# KiCad board Rogelio Pineda part 7-AMLDC-2044B.kicad_pcb (continued)
## Routing (per net, layer and track width the routed paths; a pad name or vN(x,y) marks a point on that pad's centre or on a via; arc(x,y) is an arc through that point) (continued)
V0p10: length 7.8
  Top w0.15: UV0.5 120.09,67.14 120.16,72.39 120.16,73.23 UV0.10
V0p13: length 7.8
  Top w0.15: UV0.13 112.58,73.27 112.58,72.18 112.54,69.6 112.46,66.99 112.46,66.19 UV0.2
V1p12: length 8
  Top w0.15: 153.84,81.16 153.79,81.1 v1(153.72,81.1) 153.72,81.03 153.65,80.97 153.65,80.75 153.3,80.4 153.3,74.86 153.25,74.81 UV1.12
V1p13: length 13.7
  Top w0.15: 148.74,86.6 v1(148.74,86.66) 148.59,85.17 148.56,84.89 148.44,84.34 148.39,82.96 148.42,82.08 148.44,81.32 148.56,80.74 148.76,80.12 148.89,79.59 149.04,78.71 149.53,77.53 149.72,76.82 150.04,76.06 150.35,75.14 150.49,74.65 150.71,73.42
V3p10: length 7.6
  Top w0.15: 239.36,72.84 239.36,65.22
V3p13: length 7.8
  Top w0.15: 231.74,72.84 231.74,72.36 231.98,72.11 232.11,66.6 231.74,65.22
V5p1: length 18
  Top w0.2: UV5.1 298.16,63.94 298.56,63.4 298.97,62.16 299.27,60.81 299.43,54.71 299.4,52.92 299.41,52.58 299.45,52.12 299.23,50.44 299.02,49.62 298.87,49.07 UW5.1
V5p4: length 18.8
  Top w0.2: UW5.2 301.28,49.52 301.48,50.67 301.75,52.47 302.03,54.22 301.99,56.92 301.9,57.74 302.02,58.77 302.28,59.38 302.56,59.98 303.12,60.69 304.59,62.88 305.23,63.65 UV5.4
V5p5: length 19.2
  Top w0.2: UW5.7 312.56,47.85 312.31,48.29 312.01,49.16 311.09,50.29 309.61,52.27 309.42,55.02 309.62,60.3 309.12,61.8 308.81,62.69 308.28,63.48 UV5.5
V5p9: length 5
  Top w0.2: 314.11,76.76 v1(314.11,76.74) 314.87,76.22 315.57,74.37 315.94,73.5 UV5.9
V5p12: length 19.3
  Top w0.2: UW5.10 313.03,56.07 312.86,57.1 312.52,58.09 312.29,59.29 312.18,59.89 312.09,60.76 312,62.81 311.96,68.24 311.48,69.03 311.41,69.23 310.86,69.81 309.79,70.56 308.68,71.64 308.32,71.88 UV5.12
V5p13: length 19.3
  Top w0.2: UW5.15 300.61,57.1 300.54,58.54 301.14,60.21 301.66,61.23 301.89,61.93 302.06,62.61 301.96,65.92 301.97,67.53 302.25,68.51 302.73,69.2 303.21,69.71 303.46,70.08 303.88,70.31 304.31,70.65 305.13,71.43 UV5.13
V6p9: length 18.2
  Top w0.15: UV6.9 354.71,70.58 354.48,69.93 354.08,68.7 353.92,67.8 353.82,66.5 354.08,64.79 353.87,61.81 354.1,57.8 354.45,56.72 354.94,55.24 UW6.9
V6p12: length 9.2
  Top w0.15: UV6.12 348.64,71.21 348.92,70.74 350.02,69.5 350.72,68.62 351.39,67.66 352.08,66.39 UV6.5
V6p13: length 8.1
  Top w0.15: UV6.13 344.94,70.46 344.49,69.33 344.08,67.9 343.58,66.62 UV6.1
V7p13: length 38
  Top w0.15: UV7.13 382.51,73.88 383.12,75.81 383.36,76.62 383.6,77.14 384.31,79.34 385.34,82.1 386.94,86.8 387.87,89.64 389.92,95.58 391.78,100.52 392.73,102.98 393,103.82 393.92,106.38 394.07,106.86 394.8,107.83
(no net): length 693.1
  Top w0.15: v1(321.56,40.95) 321.49,49.03 321.51,52.14 v1(321.69,65.02) ; 254.2,50.02 254.2,50.12 v1(254.25,50.17) 254.2,50.22 254.2,51.19 254.38,51.89 254.56,54.47 254.61,55.1 254.9,57.87 255.04,59.42 255.2,69.82 255.05,71.2 254.88,74.54 254.67,76.65 254.35,78.61 254.01,80.27 253.87,82.13 253.74,85.54 253.59,117.21 253.57,119.9 252.93,145.35 252.97,154.67 253.41,160.48 253.71,161.72 v1(253.81,162.64) ; 334.3,104.21 334.3,104.25 v1(334.35,104.3) 334.3,104.35 333.83,104.95 333.51,105.97 333.35,107.31 333.14,113.88 333.23,115.44 333.29,117.48 333.33,118 333.65,121.13 333.82,121.97 334.16,123.86 334.22,124.98 v1(334.16,125.28) ; v1(130.51,122.93) 130.01,122.04 129.76,120.01 129.73,103.48 129.66,100.56 129.66,90.16 129.64,82.67 129.58,65.23 129.64,47.4 v1(129.94,45.38) ; v1(215.6,65.55) 215.6,64.6 215.69,64.51 215.69,53.41 215.73,53.38 215.81,51.48 216.02,49.53 215.93,48.85 215.76,47.61 215.65,46.28 215.41,44.15 215.23,41.14 v1(214.98,39.38) ; v1(324.09,67.42) 324.25,45.74 v1(323.89,43.48) ; v1(218.29,99.81) 218.29,99.17 218.08,98.96 218.02,80.05 v1(218.08,75.79) ; v1(173.04,72.54) 173.19,84.39 173.23,85.69 173.25,87.88 173.27,90.96 v1(173.46,91.15) 173.35,96.05 173.37,98.42 173.37,99.35 v1(173.43,99.41) ; 363.57,54.32 363.54,54.35 363.54,54.45 v1(363.57,54.48) 363.54,54.52 v1(363.54,74.62) 363.54,74.85 ; v1(169.72,94.87) 169.35,94.87 168.4,95.92 168,97.48 167.92,98.28 168,103.37 168.43,106.79 168.24,107.46 v1(168.47,107.69) ; v1(168.93,92.47) 168.83,92.38 v1(168.83,85.33) 168.83,85.22 ; v1(408.78,67.2) 408.85,72.79 408.78,73.97 v1(408.65,74.78) ; v1(217.55,63.07) 217.55,40.13 ; v1(287.9,100.84) 288.6,99.98 289.21,97.73 289.12,96.69 288.89,95.79 288.85,94.88 288.47,91.72 288.27,90.09 288.41,81.87 288.45,69 288.45,62.26 288.65,53.28 288.87,49.32 v1(289.12,47.48) ; v1(133.04,106.46) 132.78,106.2 132.67,68.52 132.63,65.15 132.68,64.73 132.68,48.07 v1(132.69,48.06) ; v1(336.56,62.35) 336.74,61.01 v1(336.5,45.62)
  Bottom w0.15: 179.65,114.33 177.65,115.09 175.95,115.84 173.86,116.95 171.96,117.71 169.3,119 165.8,120.09 163.07,120.74 158.04,121.45 155.12,121.72 149.32,122.18 147.46,122.3 146.61,122.42 144.27,122.52 141.69,122.67 137.71,122.86 136.79,122.98 135.2,122.93 132.74,122.95 132.71,122.93 v1(130.51,122.93) ; 217.89,114.18 220.3,115.64 223.69,117.51 226.71,119.05 232.31,119.55 233.76,119.5 237.06,119.81 241.97,120.5 245.77,120.67 253.5,120.05 256.14,119.72 260.17,119.43 263.82,119.18 266.43,119.08 292.88,119.08 ; 123.59,312.75 120.32,312.81 117.86,312.89 109.8,313.09 107.33,313.84 105.49,314.25 103.65,314.54 102.18,314.28 100.33,312.81 v1(100.05,312.81) ; v1(126.79,312.65) 125.81,312.81 123.52,312.75
  vias: v1(217.49,40.23) v1(222.62,72.51) v1(253.01,60.24)
/C14p2: length 7.6
  Top w0.15: C14.2 222.79,397.46 222.79,396.95 222.08,395.54 220.62,393.03 220.53,391.45
/C29p1: length 7.5
  Bottom w0.2: C29.1 189.64,389.01 188.5,389 187.84,389 186.26,389.11 185.77,389.09 185.07,389.05 R50.2
/Pad6p6: length 2.6
  Top w0.15: 273.98,302.51 273.98,302.6 v1(274,302.62)
  Bottom w0.15: v1(274,302.62) 274.23,302.85 UG4.6
/Pad14p14: length 6.1
  Top w0.15: C12.2 269.12,315.82 267.88,315.62 267.4,315.38 267.39,315.37 267.04,315.03 266.84,314.71 266.61,314.28 UG4.14
/Pad15p15: length 11.5
  Bottom w0.15: R68.2 262.25,315.73 263.11,315.75 263.83,315.71 C12.1 264.37,315.2 264.53,315.04 264.07,314.58 UG4.15
/R50P2: length 55.9
  Top w0.15: CR3.1 182.07,386.59 181.95,381.79 181.89,381.04 181.88,380.91 C28.2 181.05,378.68 179.26,376.63 178.43,375.31 177.18,373.38 v1(177.04,371.78)
  Bottom w0.2: C28.2 183.2,379.64 184.85,380.04 189.9,379.69 192.25,379.71 193.55,380.23 196.73,381.1 199.62,381.34 205.7,381.48 208.76,381.24 210.31,381.24 212.33,381.2 CR4.1 ; R12.1 177.01,371.75 v1(177.04,371.78)
/R60p1: length 2.6
  Top w0.25: R60.1 209.27,97.47 R61.1
/R64p1: length 2.6
  Top w0.25: R64.1 209.24,87.05 R63.1
/R66p1: length 2.6
  Top w0.25: R62.1 209.33,92.19 R66.1
/SW1p2: length 8.2
  Top w0.25: SW1.2 420.76,56.78 419.74,55.76 C21.1
/UG4A: length 5.7
  Top w0.15: 280.39,302.45 280.28,302.35 v1(280.2,302.35) 280.2,302.26 279.52,302.28 277.87,302.4 277.35,302.75 277.32,302.75 277.15,303.09 276.85,303.61 276.77,303.69 UG4.7
A77: length 63.9
  Top w0.15: 88.78,255.3 R35.2 ; 87.95,262.2 87.36,263.11 87,263.64 85.43,265.94 83.93,267.86 83.09,268.88 82.31,269.53 81.93,269.85 81.11,270.25 80.32,270.43 76.05,270.43 J1.77 ; 87.9,262.28 88.41,261.03 88.58,260.03 88.79,258.06 R36.1
  Bottom w0.15: R35.2 88.78,255.3 R36.1 91.14,257.79 92.15,257.59 93.43,257.47 94.69,257.18 R4.1 99.75,256.31 102.37,255.87 107.5,255.33 108.98,255.06 111.26,255.13 115.09,256.18 116.51,256.2 122.7,256.35 124.08,256.42 125.07,256.66 126.17,257.23 127.16,257.95 127.41,258.17 UK0.9
B1p2: length 12.5
  Top w0.25: UB1.2 150.32,396.41 148.73,397.65 147.58,398.05 146.48,397.95 145.18,397.45 143.65,396.32 R38.2 143.65,392.87 C45.2
B1p3: length 54.5
  Top w0.2: UE1.3 153.85,345.87 154.36,348.68 154.51,354.66 154.42,356.02 154.79,358.92 155.46,360.9 UD1.4 155.8,363.62 155.79,365.18 155.6,365.54 155.62,365.82 154.79,367.14 154.36,367.94 154.36,371.34 154.4,372.26 154.44,371.77 154.44,378.36 154.37,378.43 154.37,386.54 154.39,386.55 154.47,389.83 154.67,391.41 153.69,393.94 152.86,394.67 UB1.3
B1p9: length 6.4
  Top w0.25: UB1.9 160.48,403.97 160.95,404.43 160.97,404.67 R77.2 164.88,406.15 C16.1
B1p11: length 146.8
  Top w0.15: UG2.12 193.84,314.19 193.69,313.43 193.48,312.17 192.85,311.22 191.32,310.72 189.88,311.19 189.43,312.01 189.64,313.8 189.88,314.53 189.98,317.89 190.11,318.23 190.32,319.39 189.98,322.83 189.69,327.01 189.06,328.14 v1(189.06,328.56) 189.06,328.53 ; v1(172.18,329.88) 172.39,330.87 172.76,331.97 172.79,333.96 172.59,337.58 172.13,340.17 171.7,345.45 171.7,348.88 171.6,350.32 171.84,354.14 172.78,355.78 173.27,356.93 173.39,357.87 173.39,362.98 173.38,364.34 173.26,366.6 173.22,368.17 173.52,371.32 173.8,373.43 173.87,374.56 173.93,376.27 174.15,380.95 174.29,381.99 174.39,384.8 174.54,386.17 174.37,389.98 173.61,394.9 173.38,397.95 173.29,398.84 v1(173.29,401.93)
  Bottom w0.2: UF1.9 161.08,330.5 161.43,330.17 162.08,329.82 162.27,329.73 163.6,329.64 170.79,329.63 v1(172.18,329.88) 172.51,329.81 172.8,329.77 175.33,329.59 175.9,329.58 177.14,329.49 178.14,329.42 179.63,329.41 181.43,329.24 181.99,329.14 183.9,329.13 185.14,328.99 185.62,328.87 186.5,328.78 186.99,328.71 187.73,328.71 188.23,328.56 v1(189.06,328.56) ; v1(173.29,401.93) 173.29,402.21 172.19,401.7 169.99,401.06 167.95,401 166.45,401.03 162.01,400.95 159.57,400.86 158.3,400.9 157.17,401.12 156.04,401.8 UB1.11
B1p12: length 312.2
  Top w0.15: v1(169.51,369.89) 168.78,369.02 168.24,367.16 168.04,365.77 168.04,364.58 167.89,355.91 167.92,353.5 167.75,342.28 167.81,341.37 167.7,339.33 167.72,337.92 167.73,332.17 167.62,327.78 167.72,309.89 167.75,308.88 167.8,305.73 167.7,301.39 167.81,277.23 167.72,273.44 167.87,267.74 167.89,264.65 167.84,256.15 167.89,249.7 167.89,243.86 167.92,241.96 168.06,212.67 167.93,207.79 168.29,205.22 168.63,203.52 169.74,200.94 170.47,199.5 170.64,192.9 170.31,190.91 169.83,188.9 169.2,186.31 168.9,184.97 168.32,182.25 168.18,180.49 168.01,165.47 168.07,162.65 168.26,160.87 168.88,158.23 169.43,156.75 170.1,155.24 170.45,154.02 170.6,150.41 170.63,149.66 170.74,127.2 170.25,125.7 169.16,123.34 168.5,121.42 168.34,116.76 v1(168.6,115.15)
  Top w0.25: UD1.8 163.11,371.04 161.1,372.35 159.71,373.7 159.37,374.99 159.23,378.51 159.32,383.67 159.37,392.6 159.16,397.81 158.53,399.05 157.31,399.75 154.79,400.67 153.41,401.67 UB1.12
  Bottom w0.2: UD1.8 164.67,369.87 165.47,369.9 169.45,369.95 v1(169.51,369.89) ; UT1.10 UT1.9 162.09,115.3 163.41,114.74 164.5,114.78 165.81,114.84 167.78,115.33 v1(168.6,115.15)
B1p13: length 270.8
  Top w0.15: 173.71,333.63 173.75,330.55 173.24,326.17 173.25,324.01 173.33,323.23 173.65,321.35 173.85,319.7 173.63,317.05 173.4,315.17 172.73,312.01 173.31,308.87 173.55,308.09 173.81,306.05 174.03,304.8 174.07,303.63 174.02,300.83 174.03,300.27 173.8,295.73 173.88,289.67 173.98,281.2 173.98,280.47 174.02,274.31 174.06,273.47 173.94,267.64 173.95,265.53 173.92,262.74 173.97,258.81 173.94,254.61 174.07,251.36 174.07,247.89 174.09,247.55 174.09,242.96 174.07,242.48 174.17,239.23 174.17,225.34 174.15,224.63 174.08,221.42 174.08,210.05 173.88,195.11 173.93,192.19 173.32,184.88 172.97,183.62 172.76,182.45 172.22,180.54 171.9,178.44 171.86,176.86 171.96,171.86 v1(172.26,170.34) ; v1(175.45,367.66) 174.88,367.09 174.7,357.85 173.89,356.06 173.13,354.05 172.87,352.51 172.72,351.34 172.72,349.6 172.58,348.11 172.77,343.37 173.22,340.3 173.71,333.5
  Top w0.25: UB1.13 151.62,399.25 151.53,393.4 151.48,392.27 151.16,390.31 151.74,387 151.97,385.21 151.85,385.09 151.85,373.45 151.76,373.37 152,371.86 152.92,370.8 UD1.12
  Bottom w0.2: v1(172.26,170.34) 171.47,169.78 169.34,168.82 166.77,168.21 165.48,167.92 163.91,167.9 162.87,168.07 162.05,168.69 161.98,168.89 UP1.9 UP1.10 ; v1(175.45,367.66) 175.04,367.66 171.81,367.74 156.61,367.88 155.17,368.03 154.37,368.6 UD1.12
B2p2: length 11.6
  Bottom w0.2: v1(183.32,395.82) 183.38,395.76 R58.2 185.92,393.17 186.62,392.87 188.31,392.65 189.16,392.77 190.9,393.92 UB2.2
B2p5: length 11.3
  Top w0.15: UB2.5 198.78,394.15 199.1,393.72 199.64,392.95 200.69,391.55 201.2,391.18 202.18,390.35 202.24,390.35 202.24,390.14 C13.1 R70.2
B2p6: length 365.1
  Top w0.15: 138.84,375.84 138.63,374.23 138.35,372.13 137.82,370.33 137.56,365.44 137.64,363.26 137.51,361.62 137.4,341.98 137.29,340.75 137.2,334.38 137.2,333.49 137.12,330.59 136.9,328.01 136.82,326.47 136.63,322.3 136.59,320.39 136.41,318.55 136.39,317.12 135.97,309.14 135.87,307.75 135.93,305.95 136.31,303.62 136.21,300.75 135.96,299.38 135.75,297.71 135.81,296.42 135.97,289.44 135.97,288.27 135.93,285.53 135.92,284.67 135.97,282.25 136.39,280.11 136.92,276.54 136.91,275.75 137.12,268.84 137.26,267.11 137.52,264.25 137.86,261.99 138.55,255.8 138.63,255.33 139.02,252.44 138.91,250.58 138.25,248.34 137.65,246.73 136.96,244.79 136.45,243.62 136.25,242.61 135.87,241.51 135.49,240.16 135.28,238.56 ; 138.87,375.52 138.47,378.67 137.8,380.5 136.98,383.06 135.81,386.29 134.8,389.95 133.77,392.27 133.33,394.03 132.62,395.84 131.88,397.86 v1(131.51,399.04) ; 130.97,190.2 130.99,187.42 130.95,183.47 130.95,179.1 130.91,179.06 130.73,172.4 130.63,167.58 130.59,156.19 130.77,149.72 131.03,147.14 131.07,145.37 131.41,140.33 131.84,137.81 131.9,136.12 132.75,130.97 132.96,129.49 133.21,128.29 132.87,115.79 v1(132.85,110.88) ; 135.3,238.78 135.18,237.55 135.14,235.64 ; 130.98,189.44 130.99,191.25 131.45,194.36 132.06,196.43 133.51,199.11 134.07,200.32 134.82,202.54 135.1,204.13 135.18,233.68 135.1,234.67 135.14,234.64 135.18,235.8
  Bottom w0.2: UB2.6 201.23,396.28 199.87,397.25 198.73,397.91 192.09,397.68 190.06,397.67 188.64,397.97 187.23,398.27 185.54,398.64 183.49,398.57 181.34,398.33 180.31,397.77 179.04,396.9 176.89,396.21 174.56,395.94 172.65,396.02 171.38,396.48 167.41,397.95 165.33,398.34 162.63,398.49 160.38,398.59 154.37,399.13 150.93,399.7 144.78,400.05 140.66,400.09 139.39,399.9 136.15,399.58 134.47,399.54 132.79,399.28 v1(131.51,399.04)
B2p8: length 203.4
  Top w0.15: v1(208.73,222.47) 208.54,222.67 208.9,223.36 208.43,297.11 208.42,344.12 208.51,346.95 208.57,348.43 208.63,349.25 209.35,351.02 210.07,352.75 210.54,354.68 210.67,356.28 211.2,360.35 211.26,362.72 211.43,365.47 211.45,367.22 211.82,373.96 211.86,374.77 211.93,374.87 211.93,381 211.8,381.84 211.62,389.98 211.68,393.13 211.54,402.65 v1(211.89,402.99)
  Bottom w0.2: 207.64,222.9 207.48,222.92 ; 207.48,222.92 207.93,222.78 v1(208.73,222.47) ; 207.48,222.92 206.57,223.03 204.83,223.15 201.73,223.16 201.08,222.96 199.74,222.36 199.66,222.17 199.43,221.95 199.33,221.81 UL2.5 UL2.4 ; v1(211.89,402.99) 211.89,403.22 210.62,403.37 209.1,403.35 207.48,403.28 206.72,403.24 205.14,403.19 UB2.8
B2p10: length 8.7
  Top w0.15: UB2.10 198.69,404.4 199.28,404.97 200.09,405.63 200.7,405.9 201.5,406.15 201.5,406.15 R91.2 204.15,405.95 C30.1
B2p12: length 684.1
  Top w0.15: 139.92,201.74 140.29,203.56 v1(140.67,204.62) ; 251.47,65.62 v1(251.35,65.68) 251.98,66.96 252.3,69.03 252.3,71.27 252.4,74.05 ; v1(139.23,65.64) 138.68,67.12 138.62,68.56 138.52,69.19 138.54,69.57 138.49,70.38 138.65,106.14 138.53,110.47 138.03,114.29 138.42,120.19 138.42,122.94 138.47,124.44 138.57,126.53 138.53,126.57 138.55,127.5 138.61,128.16 138.61,129.28 138.49,131.74 138.33,135.55 138.37,135.59 138.2,137.24 138.03,140.85 138.12,144.15 138.2,148.82 138.27,148.89 138.25,148.91 138.25,155 v1(138.33,155.07) 138.22,156.95 138.08,158.28 137.87,160.41 137.72,161.44 137.68,163.19 137.66,163.21 137.66,169.99 137.8,172.1 137.94,174.16 138.49,179.72 138.49,179.52 ; 252.32,72.65 252.28,77.34 252.16,80.2 252.03,119.94 252.07,119.98 252.13,124.63 251.23,156.25 251.27,158.42 v1(251.67,159.57) 253.29,166.55 253.09,170.73 253.22,173.98 253.53,175.71 253.69,183.96 253,187.39 252.82,189.59 252.98,192.79 252.87,201.73 v1(252.74,203.34) ; 139.95,202.03 139.66,199.67 139.33,197.35 139.37,197.31 139.26,192.98 139.17,189.6 138.85,183.43 138.72,182.55 138.49,179.12
  Top w0.25: v2(137.78,403) 137.93,402.1 138.18,400.5 ; v2(134.98,198.35) 135.63,200.25 135.93,201.4 136.43,207.6 136.43,210.3 136.33,221.45 138.63,233.7 138.48,243.45 138.68,246.6 139.28,248.3 139.93,249.75 140.18,251.55 139.83,254.85 139.53,258.1 139.28,258.95 138.53,265.3 138.18,267.15 138.03,275.55 137.98,276.85 137.63,279.5 136.83,283.05 136.98,289.6 136.93,292 136.78,294.6 136.83,298.5 137.33,302 137.28,303.5 136.93,306.2 136.93,309.75 137.23,313.75 137.58,316.75 138.33,330.45 138.43,332.9 138.83,353.8 138.93,362.9 139.03,368.85 139.78,374.85 139.63,379.4 138.73,384.9 138.53,396.75 138.18,400.5 ; 138.18,400.5 138.18,400.35
  Bottom w0.2: 137.07,200.25 139.4,202.69 139.93,203.31 140.67,204.46 v1(140.67,204.62) 140.88,204.41 146.81,204.41 UM1.1 ; 137.07,200.25 135.17,198.35 v2(134.98,198.35) ; 137.07,200.25 137.07,200.29 ; UM4.1 260.01,203.83 256.14,203.74 253.71,203.45 v1(252.74,203.34) ; 179.38,158.41 206.44,158.41 206.48,158.45 206.69,158.37 209.89,158.2 214.91,157.42 220.08,157.29 221.59,158.26 222.47,158.88 224.07,160.16 226.08,160.41 229.54,159.23 230.97,158.77 247.1,158.81 248.52,159.15 250.39,159.72 251.67,159.9 v1(251.67,159.57) ; 179.38,158.41 179.42,158.45 ; 179.38,158.41 172.97,158.11 171.2,158.06 162.46,157.03 159.57,156.93 149.06,156.6 146.74,156.52 141.42,155.87 139.98,155.28 v1(138.33,155.07) ; v2(137.78,403) 138.45,402.83 139.01,402.7 140.38,402.38 141.5,402.01 144.13,401.33 145.99,401.05 147.23,400.99 149.5,400.86 150.16,400.87 153.4,400.67 157.36,399.77 165.99,399.81 167.7,399.86 168.76,399.9 172.59,400.02 174.56,400.38 177.38,401.18 180.52,401.73 185.6,401.6 187.62,401.11 189.93,401.05 192.88,401.37 UB2.12
B2p13: length 50.7
  Top w0.15: 191.07,368.65 191.07,370.05 190.95,370.4 190.97,370.81 190.72,371.53 190.31,372.71 190.24,373.3 189.88,376.29 189.79,376.38 189.79,379.84 189.81,379.86 189.88,386.18 189.36,389.26 189.25,390.75 189.38,391.93 189.5,393.18 189.84,394.6 189.88,397.32 190.81,398.52 192.3,399.46 ; 192.78,398.32 193.44,398.52 193.93,398.68 196.36,399.49 198.92,400.1 200.59,401.33 201.04,402.91 UB2.9 ; 192.78,398.32 192.89,397.91 193.23,396.98 UB2.3 ; 192.78,398.32 192.39,399.31 192.3,399.46 ; 192.3,399.46 192.12,399.74 191.81,400.87 191.53,401.73 UB2.13
B3p4: length 106.4
  Top w0.15: v1(253.86,371.89) 253.09,372.53 252.69,373.77 252.55,375.89 252.52,376.59 252.78,379.95 252.75,381.54 252.85,382.56 252.98,384.78 253.04,386.08 253.23,386.95 253.46,388.21 253.58,388.7 253.58,390.35 253.98,390.75
  Bottom w0.15: v1(253.86,371.89) 255.14,372 255.99,372.25 258.5,372.7 259.17,372.84 260.59,372.99 261.98,373.25 263.71,373.43 265.9,373.52 267.82,373.6 273.14,373.02 274.89,372.57 277.12,371.39 280.28,368.97 281.5,368.25 282.15,368.04 284.14,368.2 285.1,368.64 286.26,369.26 287.9,370.1 289.11,370.77 291.15,371.11 291.93,371.25 292.74,371.52 293.54,371.88 306.12,372.11 308.38,371.97 310.31,371.9 311.22,371.74 312.71,371.18 314.77,369.93 315.87,369.15 316.44,368.32 UD5.9 ; UB3.4 237.02,391.94 238.5,390.93 239.41,390.73 241.53,390.75 242.79,390.68 247.43,390.77 247.44,390.76 253.41,390.9 R2.2
B3p6: length 26.4
  Top w0.25: UB3.6 UB3.5 239,392.17 237.73,390.9 234.83,390.9 233.92,391.81 UB3.3
  Bottom w0.15: R29.1 223.14,390.72 226.12,390.58 227.71,390.52 232.71,391.01 233.71,391.58 234.01,392.08 UB3.3
B3p8: length 128.4
  Top w0.25: UB3.8 UB3.9 241.54,399.76 239.83,398.05 235.13,398.05 233.92,399.26 UB3.12 UB3.13
  Bottom w0.15: 324.1,394.12 325.41,393.51 326.1,392.82 326.82,391.59 326.85,389.92 326.1,388.5 325.06,387.69 321.12,386.43 318.63,385.97 314.98,386.12 311.38,386.05 310.2,385.46 309.73,385.02 309.47,384.25 UC5.10 ; 293.84,395.77 308.85,395.6 311.24,395.55 313.97,395.59 315.48,395.45 321.08,395 323.45,394.53 324.22,394.05 ; 293.84,395.77 292.61,395.7 274.6,396.17 272.63,396.37 267.3,396.71 264.47,396.97 256.43,397.15 251.78,397 245.24,396.97 244.22,397.07 243.05,397.56 241.96,399.41 UB3.9 ; 293.84,395.77 294.05,395.78
B3p10: length 140.6
  Top w0.15: 176.97,361.41 176.96,361.4 ; 176.97,361.41 177.03,361.47 ; 176.97,361.41 177.03,361.47 ; R3.2 176.3,328.41 176.4,330.31 176.46,332.26 175.99,334.53 176.17,337.19 176.24,339.44 176.53,342.51 176.73,344.48 177.12,347.65 177.08,348.39 177.08,350.5 177.02,351.36 176.9,354.33 176.85,355.73 177.03,361.47 ; 178.15,383.06 178.15,391.74 178.13,391.76 178.13,398.38 v1(178.02,398.49) ; 177.03,361.47 177.03,364.46 177.06,364.5 177.06,367.46 176.79,368.41 176.44,369.18 175.99,369.99 175.39,371.21 175.07,372.79 175.29,373.49 175.58,374.49 176.32,376.07 177.23,378.01 177.94,380.15 178.23,381.96 178.15,383.15
  Top w0.25: UB3.10 UB3.11
  Bottom w0.2: 232.24,398.54 232.28,398.57 ; 232.28,398.57 229.14,398.76 227.76,398.77 227.2,398.87 225.55,398.8 224.48,399.29 222.34,399.32 219.36,398.07 218.54,397.81 217.76,397.37 216.62,396.58 CR4.2 214.07,396.02 212.77,396.43 211.67,396.63 210.82,396.86 209.19,397.37 207.43,397.85 204.89,398.43 203.09,398.69 193.61,398.81 192.26,398.79 190.59,398.82 188.79,398.98 185.99,399.42 184.2,399.52 183.13,399.49 181.59,399.35 180.53,399.12 ; 232.28,398.57 235.21,398.56 236.26,399.63 UB3.11 ; 180.61,399.14 179.29,398.73 178.74,398.43 v1(178.02,398.49)
B4p1: length 23.8
  Top w0.15: UC4.9 273.81,385.07 272.78,386.28 271.83,386.89 270.96,387.96 270.92,389.54 271.15,391.17 UB4.5 271.5,393.37 269.87,395.09 268.24,395.5 267.64,395.58 264.49,395.52 263.95,395.35 263.52,395.13 262.97,394.83 262.67,394.58 262.52,394.38 261.72,393.72 261.72,393.06 UB4.1 261.34,393.14
B4p6: length 4.4
  Top w0.15: C42.1 273.17,389.69 273.57,390.65 UB4.6
B4p7: length 10.8
  Top w0.15: C42.2 278.1,389.58 276.64,391.62 UB4.7
  Bottom w0.15: C42.2 278.83,389.19 279.29,389.65 282.29,389.7 R87.1
B4p10: length 242.7
  Top w0.15: v1(405.09,349.25) 404.95,350.02 404.62,350.96 404.45,351.54 404.19,352.15 403.82,353.45 403.71,354.35 403.57,355.89 403.56,358.53 403.7,365.3 403.4,367.21 403.24,367.77 403.06,368.81 402.92,370.22 402.87,370.62 402.76,371.23 402.76,377.74 402.7,378.29 402.73,379.15 402.89,381.13 403.01,381.73 403.3,383 403.43,383.51 403.68,384.38 404.1,385.16 404.34,385.88 404.44,386.36 v1(404.54,387.25) ; UC6.11 350.95,384.64 350.53,385.41 350.09,385.86 349.57,386.31 348.68,386.56 348.09,386.65 347.25,386.78 345.21,386.85 v1(344.67,386.6) 344.63,386.56 ; 331.38,387.34 331.16,387.56 v1(331.16,402.49) ; UB4.10 275.91,398.41 275.35,396.76 275.32,391.57 275.35,391.54 275.35,387.56 275.37,387.53 275.37,382.12 275.35,372.6 274.98,371.33 274.53,369.74 274.4,369.56 UD4.9
  Bottom w0.15: UC6.11 351.73,385.33 352.66,386.32 354,386.58 355.37,386.74 364.54,386.54 375.46,386.67 376.14,386.73 377.68,386.76 378.53,386.77 379.31,386.81 384.46,386.97 386.01,386.96 392.68,387.07 393.05,387.04 394.52,387.07 399.04,387.09 399.81,387.08 402.28,387.07 402.73,387.07 403.56,387.13 v1(404.54,387.25) ; 422.06,346.43 422.07,346.43 ; 422.06,346.43 421.73,346.02 421.01,345.62 419.93,345.46 416.52,345.46 415.55,345.7 414.46,346.25 413.38,347.07 413.06,347.36 412.66,347.61 411.23,348.51 409.45,348.82 408.7,348.85 406.8,349.01 405.95,349.04 v1(405.09,349.25) ; 422.06,346.43 422.06,347.4 UE8.12 ; v1(344.67,386.6) 344.29,386.88 335.71,387.33 ; UB4.10 278.3,398.81 279.87,397.9 281.97,397.41 290.35,397.27 292.48,397.2 293.92,397.14 304.33,397.09 307.31,397.14 311.62,397.39 312.72,397.9 313.28,398.16 313.91,398.66 314.23,398.98 UB5.8 315.17,401.07 315.9,401.22 318.33,401.91 320.19,402.42 321.78,402.91 321.98,402.91 329.29,403 330.25,402.98 330.92,402.98 331.16,402.75 v1(331.16,402.49)
  Bottom w0.2: 335.71,387.33 333.46,387.49 332.41,387.54 v1(331.01,387.54)
B4p13: length 43.6
  Bottom w0.15: UB5.12 304.76,400.55 304.22,402.34 303.25,402.95 302.94,402.93 301.99,403.02 300.5,403.07 299.73,403.01 297.82,402.6 294.68,401.49 293.59,401.46 292.47,401.28 288.12,401.13 283.68,401.42 283.03,401.8 282.07,402.37 280.38,402.97 277.11,403.69 275.08,403.96 273.01,404.51 271.56,404.91 270.81,405.01 270.45,404.93 269.41,404.75 269.25,404.57 268.88,404.25 268.56,403.85 268.53,402.57 268.72,401.83 UB4.13
B4p14: length 6.5
  Top w0.15: C41.2 269.67,403.66 267.68,403.3 266.63,402.4 266.43,400.31 UB4.14
B4p15: length 10.9
  Top w0.15: 264.12,403.06 C41.1
  Bottom w0.15: UB4.15 264.38,402.22 C41.1 263.29,403.1 262.49,403.62 261.8,403.67 260.36,403.74 258.55,403.74 ; 258.55,403.74 258.53,403.72 ; 258.55,403.74 257.67,403.74 R1.2
B5p1: length 33.9
  Top w0.15: UD5.1 299.5,360.69 299.8,362.45 300.13,363.73 300.2,364.99 300.24,365.54 300.23,366.28 300.11,366.92 300.13,367.39 300.15,368.23 299.45,370.69 299.59,371.12 299.84,372.69 300.22,374.22 300.25,387.72 300.26,387.73 ; 300.25,387.49 300.26,388.05 299.88,389.57 299.56,390.67 299.25,391.11 298.98,391.3 UB5.1
B5p2: length 9.1
  Top w0.15: UB5.2 301.52,391.34 301.56,391.12 301.66,390.53 301.96,389.27 301.8,386.57 301.59,385.32 UC5.13
B5p3: length 2.5
  Bottom w0.15: UB5.3 UB5.4
B5p9: length 416.5
  Bottom w0.2: 442.51,343.8 442.76,373.82 442.94,382.41 442.99,385.83 443.05,389.88 443.04,391.55 443.2,392.62 442.81,395.45 442.04,397.3 441.46,398.46 440.54,399.75 438,401.43 432.76,402.09 431.04,402.16 426,402.4 423.15,402.69 418.88,403.21 386.66,403.21 385.49,403.22 383.74,403.2 382.34,403.24 380.34,403.13 378.79,403.09 376.86,402.71 375.34,402.51 374.4,402.38 373.87,402.27 371.3,401.78 370.1,401.36 368.42,400.21 367.82,399.74 367.6,399.45 367.09,398.9 365.83,397.9 361.73,397.13 358.39,397.09 353.84,396.94 350.24,396.87 348.85,396.79 344.46,396.45 343.28,396.25 339.71,395.91 338.79,395.79 338.14,395.76 335.91,395.69 334.55,396.44 333.92,397.24 333.63,398.54 333.47,399.49 333.59,401.21 332.93,401.87 333.05,405.03 332.84,405.71 331.33,406.42 329.35,406.37 328.02,406.11 323.25,405.34 321.45,404.92 318.64,404.31 316.35,403.87 314.24,403.15 312.42,401.92 UB5.9 ; 442.51,343.8 442.51,343.68 ; 442.51,343.8 442.96,338.77 443.03,337.23 443.05,336.34 443.19,335.16 443.13,326.39 443.19,322.72 443.07,301.46 442.76,298.37 441.43,292.01 440.45,279.64 441.92,269.34 442.43,259.73 442.53,243.97 442.36,235 441.93,212.33 439.83,198.6 438.71,187.14 437.96,178.51 437.96,171.84 437.71,148.3 437.65,145.75 437.57,144.69 437.4,126.27
B5p10: length 7.7
  Top w0.15: UB5.10 308.98,398.67 308.91,393.49 UB5.5
B6p4: length 267.5
  Top w0.15: v1(400.17,367.49) 400.48,367.36 401.23,366.16 401.83,364.77 401.48,359.83 401.38,358.83 401.37,358.09 401.34,357.85 401.3,356.34 401.31,355.83 401.33,355.54 401.46,353.98 401.86,352.87 402.19,352.01 402.53,350.97 402.62,349.29 401.9,346.07 401.58,339.06 401.48,335.43 401.28,330.59 401.15,324.27 401.12,320.12 ; 385.13,370.11 v1(385.13,370.13) 384.94,370.78 384.91,370.97 384.65,372.31 384.42,373.15 384.24,374.56 384.29,376.96 384.33,379.69 384.25,380.34 383.97,381.72 382.92,383 UC7.13 ; v1(401.86,309.73) 401.86,310.5 401.5,311.8 401.46,312.29 401.28,313.23 401.01,317.9 401.12,320.43 ; v1(363.07,380.89) 363.12,381.39 363,382.99 362.83,383.77 362.72,387.13 362.72,387.92 362.72,391.1 362.69,391.32 362.76,391.99 362.89,392.68 v1(363.11,393.63)
  Bottom w0.15: v1(363.11,393.63) 363.11,394.16 362.58,394.4 360.96,394.72 355.4,394.84 354.25,393.99 UB6.5 UB6.4 ; v1(401.86,309.73) 401.09,309.52 400.11,309.19 399.34,309.06 398.36,308.82 397.44,308.62 395.78,308.21 394.87,308.04 393.53,307.93 392.83,307.81 388.38,307.81 386.34,307.76 385.69,307.78 376.25,307.78 ; 395.92,369.14 396.39,369.23 397.74,368.81 398.64,368.48 399.48,368.16 v1(400.17,367.49) ; 395.92,369.14 394.71,369.52 393.89,369.69 392.9,369.84 390.48,369.95 388.41,369.92 387.22,370.08 v1(385.13,370.13) ; 395.92,369.14 395.46,368.47 395.14,367.62 UD7.8 ; UC7.13 381.94,382.22 381.69,382.03 381.42,381.88 381.11,381.72 380.35,381.55 376.4,381.48 373.9,381.47 366.39,381.22 v1(363.07,380.89) ; 376.39,307.78 375.2,307.77 373.81,307.64 372.96,307.64 370.65,307.23 369.78,306.97 368.25,306.67 367.29,306.6 365.72,306.6 362.06,306.64 360.92,306.73 350.34,306.97 340.07,306.85 335.86,306.34 333.83,306.1 332.35,306.22 329.05,306.42 326.44,307.25 323.63,308.15 318.89,309.18 314.07,309.14 313.3,309.17 312.61,309.08 311.85,309.06 311.16,309.01 310.38,308.95 309.5,308.9 307.86,308.66 306.5,308.49 305.92,308.39 305.02,308.33 294.44,308.16 292.73,308.14 291.45,308.15 289.97,307.97 289.21,307.67 288.43,307.08 288.12,306.06 288.16,304.71 288.45,304.18 288.43,304.18 289.25,303.1 290.25,302.63 290.92,302.43 292.28,303.03 293.11,303.57 293.78,303.85 294.61,304.43 296.21,304.62 296.87,304.66 UG5.1
B6p6: length 18.2
  Top w0.15: UB6.6 356.23,393.21 356.05,393.65 355.97,398.5 UB6.9
  Top w0.25: UB6.9 356.06,400.03 R80.1
  Bottom w0.15: UB6.9 UB6.10 ; R80.1 C7.2 357.31,406.58
B6p11: length 175.4
  Top w0.15: UB6.2 346.43,393.68 346.64,394.25 347.37,394.96 349.05,396.08 349.73,396.84 350.23,397.46 350.31,397.66 350.77,398.74 UB6.11 ; 406.05,396.07 v1(406.05,396.05) 406.07,396.05 406.24,395.88 406.6,395.06 406.91,394.46 407.07,394.12 407.38,393.32 407.81,392.2 408.39,390.63 408.78,388.64 408.66,384.52 408.61,383.82 408.61,381.74 408.53,365.04 408.19,363.86 407.9,360.87 407.86,359.84 407.92,356.95 408.36,355.83 408.88,352.78 408.91,352.12 408.95,351.33 409.07,348.14 408.88,345.22 408.69,344.27 408.35,343.41 408.16,343.17 406.85,341.57 406.64,341.04 406.07,339.06 405.96,332.46 405.97,332.15 406.05,331.7 406,330.31 405.97,328.97 405.84,327.37 405.79,326.55 405.71,325.59 405.7,324.58 405.59,321.48 405.62,320.26 405.56,318.95 R39.2 ; v1(365.59,399.97) 366.32,400.22 367.33,400.2 370.68,400.06 v1(371.84,400.06)
  Bottom w0.15: UB6.2 345.48,392.82 344.89,392.82 UB6.1 343.53,392.91 343.37,393.08 339.05,393.08 338.89,392.91 v1(338.89,392.84) 338.81,392.84 338.85,392.88 ; UB6.11 351.99,399.2 352.18,398.94 352.74,398.5 353.73,398.12 361.07,398.2 361.76,398.34 363.04,398.8 363.82,399.05 364.87,399.64 v1(365.59,399.97) ; 419.09,305.5 419.11,305.5 ; 419.09,305.5 419.31,305.04 UG8.2 ; 419.09,305.5 418.42,306.17 417.93,306.47 417.53,306.67 416.55,306.94 415.3,307.15 412.96,308.09 411.55,308.88 409.91,310.14 408.74,311.95 407.84,314.25 406.85,316.21 R39.2 ; v1(406.05,396.05) 405.37,395.7 404.46,395.32 403.11,395.02 400.01,395.19 398.71,395.38 395.1,395.74 393.25,395.93 391.03,396.22 389.53,396.4 386.33,396.64 383.97,396.94 380.15,397.29 377.98,398.21 376.57,398.87 375.88,399.17 374.93,399.46 373.54,399.75 372.16,399.84 v1(371.84,400.06)
B7p6: length 63
  Top w0.15: v1(409.5,391.53) 409.69,391.09 409.7,390.07 409.65,375.77 409.61,372.57 409.49,364.54 v1(409.38,361.9)
  Bottom w0.15: UB7.6 393.18,391.34 392.64,390.58 393.78,389.87 394.65,389.55 394.73,389.55 396.66,389.54 398.54,390.09 401.31,390.81 402.94,391.13 403.87,391.38 404.05,391.44 404.95,391.65 405.89,391.78 408.35,391.62 408.92,391.54 408.92,391.5 409.47,391.5 v1(409.5,391.53) ; v1(409.38,361.9) 410.59,361.9 411.09,361.93 412.18,362.01 413.18,362.12 415.03,362.16 416.11,362.21 418.03,362.12 419.12,361.96 419.99,361.7 421.24,360.83 421.91,360.02 UD8.3
B7p8: length 80
  Bottom w0.15: UB7.8 397.29,399.84 399.96,399.74 401.71,399.75 403.36,399.6 405.68,398.82 408.11,397.85 410.4,397.13 412.11,396.7 418.47,396.37 420.86,396.36 431.25,396.17 432.44,396.21 434.61,396.06 436.36,395.48 438.06,394.7 438.82,394.03 439.61,393.13 440.15,391.37 440.4,389.01 440.49,387.67 440.43,385.81 440.35,381.94 440.29,380.1 440.26,378.77 440.15,374.73 438.18,372.52 435.82,371.62 434.42,371.02 432.45,370.46 430.56,369.8 428.29,368.51 427.82,368.02 427.4,367.46 426.93,366.65 UD8.10
B7p9: length 227.2
  Top w0.15: v1(403.42,397.33) 402.97,396.36 402.32,395.38 402.03,394.6 401.8,394.14 401.34,392.24 401.46,386.11 v1(401.28,384.68) 401.39,384.26 401.5,383.87 401.48,382.46 401.48,381.5 401.31,374.64 401.34,373.97 401.37,373.24 401.44,370.36 401.55,369.51 401.81,368.41 402.21,366.48 402.61,364.69 402.58,361.38 402.49,359.74 402.44,357.12 402.44,356.15 402.42,355.33 402.53,354.47 402.86,353 403.11,352.31 403.49,351.33 403.58,349.3 403.4,347.79 403.26,346.66 403.13,345.63 403.14,345.17 402.91,342.96 402.79,341.26 402.79,340.78 402.76,336.95 402.82,335.89 402.92,330.18 403.04,329.4 403.21,328.15 403.31,327.77 v1(403.43,326.17) 403.23,325.68 403.11,325.31 402.79,323.69 402.71,323.05 402.53,321.21 402.54,320.1 402.54,317.55 402.58,316.94 402.69,315.62 402.81,314.68 402.94,313.76 403.25,312.44 403.57,309.85 403.03,307.54 v1(403.03,307.23)
  Bottom w0.15: v1(401.28,384.68) 399.45,385.58 398.07,385.84 394.3,385.8 393.39,385.83 378.31,385.79 377.3,385.68 374.5,385.93 374.49,385.92 373.49,385.79 371.69,385.62 369.4,385.36 368.03,385.2 364.9,384.87 363.68,384.75 362.07,384.58 360.01,384.3 359.58,384.21 UC6.8 ; UG6.5 353.95,303.46 354.19,303.19 355.49,302.09 357.09,301.97 358.05,302.02 358.33,302.01 359.64,302.15 360.56,302.54 361.99,303.31 362.52,303.64 364.2,304.43 365.25,304.64 365.81,304.75 367.13,304.85 369.22,305.06 369.54,305.19 371.02,305.6 371.82,305.92 372.88,306.23 373.62,306.39 375.2,306.42 376.08,306.44 376.63,306.39 378.49,306.36 381.09,306.36 383.11,306.38 387.71,306.38 387.96,306.4 388.36,306.34 394,306.34 394.34,306.36 395.55,306.38 396.55,306.47 397.55,306.53 400.57,306.74 400.99,306.73 401.86,306.9 v1(403.03,307.23) ; UB7.9 393.18,398.27 393.37,398.09 394.19,397.46 395.77,397.28 396.96,397.31 401.17,397.26 v1(403.42,397.33) ; UG8.12 421.91,311.13 421.53,310.26 420.92,309.7 420.11,309.17 419.42,309.17 418.41,309.23 415.51,310.07 413.6,310.96 412.96,311.53 411.79,312.47 410.4,314.16 409.74,314.99 408.06,317.57 406.45,320.44 405.6,321.67 404.88,323.06 404.07,324.8 v1(403.43,326.17)
B8p12: length 9.3
  Top w0.15: UB8.12 421.21,398.35 420.44,397.38 420.44,397.35 419.95,396.96 418.99,396.02 418.35,395.29 417.69,394.37 417.13,393.02 UB8.1
B51: length 57.4
  Top w0.15: 89.18,92.9 88,91.6 87.98,91.6 v1(87.31,90.93) 87.36,90.98 ; 89.18,92.9 88.89,92.42 ; 89.18,92.9 90.14,93.95 90.61,94.46 90.99,94.98 91.92,95.82 92.34,96.39 92.54,96.86 92.93,97.37 93.25,98.31 93.52,99.15 93.52,102.1 93.41,102.67 93.33,103.45 93.25,104.72 92.98,106.12 92.81,107.77 92.71,108.66 92.63,110.59 92.68,111.83 92.83,113.78 92.88,113.82 92.89,115.24 93,116.04 93.1,116.68 93.05,116.73 93.3,119.27 93.16,120.76 93.06,121.39 92.66,122.93 92.07,124.05 91.64,124.95 90.66,126.38 90.44,126.77 90.39,126.77 89.29,128.08 87.95,128.89 86.6,129.24 85.65,129.09 84.97,128.49 84.74,128.32 84.74,128.25 84.41,127.82 83.54,126.59 83.44,126.26 83.16,125.77 82.73,125.1 ; 82.73,125.1 82.33,124.62 81.7,123.92 81.54,123.92 80.26,122.64 J2.51 ; 82.73,125.1 82.73,125.15
B52: length 60.4
  Top w0.15: v1(97.38,90.82) 97.03,92.28 96.76,92.91 96.42,94.72 95.61,97.55 95.57,98.74 95.5,99.92 95.39,100.34 95.29,101.39 94.93,103.79 94.81,105.16 94.61,106.93 ; 94.61,106.93 94.48,107.6 94.38,108.68 94.29,112.03 94.45,113.87 94.52,115.53 94.61,116.45 94.77,118.38 94.81,118.96 94.82,119.76 94.87,120.45 94.76,121.67 94.67,122.44 94.41,123.29 93.64,125.1 93.45,125.43 93.13,125.91 92.77,126.38 92.01,127.47 91.22,128.31 90.84,128.84 89.93,129.74 89.18,130.29 87.99,130.66 86.83,130.95 86.18,131.01 v1(85.31,131.2) ; 94.61,106.93 94.63,106.92
  Bottom w0.15: J2.52 81.97,123.49 83.25,124.26 84.47,125.9 85.12,127.59 85.7,129.56 85.72,130.4 85.68,130.82 v1(85.31,131.2)
BOT: length 7.6
  Top w0.15: 83.27,117.33 83.19,117.33 v1(83.16,117.36) 83.13,117.33 82.96,117.33 80.83,119.47 J2.53
C0p6: length 32.6
  Bottom w0.2: 122.64,378.76 122.93,380.15 123.84,380.67 128.07,380.77 129.84,380.73 ; 129.84,380.73 R10.1 ; 129.84,380.73 131.5,380.74 133.58,380.7 148.85,380.76 149.78,380.41 150.7,379.46 UC1.2
C0p8: length 29.5
  Bottom w0.15: UC0.8 125.53,386.74 126.18,386.74 128.42,386.71 R94.1 130.8,385.81 133.54,385.33 137.87,384.84 140.45,384.66 146.44,384.5 148.13,384.44 150.88,384.46 152.01,384.58 152.67,384.78 152.84,385.09 UC1.12
C1p6: length 336.6
  Top w0.15: UC2.2 190.98,378.88 191.04,379.59 191.1,381.49 191.08,381.52 v1(191.08,381.63) 190.97,381.63 190.95,381.65 ; v1(223.82,272.23) 223.94,274.72 224.13,287.95 223.61,289.12 223.02,290.48 222.4,291.72 222.34,292.95 222.31,292.98 222.31,299.58 222.4,299.67 222.4,306.77 222.28,308.99 222.12,330.22 222.12,331.76 222.28,335.74 222.25,336.93 222.38,337.97 222.4,339.07 v1(222.5,341.02) 222.53,341.05 222.81,344.29 223.02,345.37 222.7,347.97 222.21,350.2 221.14,352.45 220.46,353.55 219.93,354.61 219.84,364.53 219.75,366.02 220.17,373.49 220.28,375.29 220.32,376.65 220.61,377.94 220.33,381.84 v1(220.3,383.24)
  Bottom w0.15: 293.49,348.89 295.23,349.93 296.94,350.41 318.27,350.38 321.76,350.2 325.42,349.66 326.1,349.64 327.4,349.38 331.67,348.63 335.59,347.82 339.53,347.12 342.52,346.4 346.26,346.09 346.99,346.13 347.86,346.51 348.21,346.97 UE6.12
  Bottom w0.2: UC1.6 161.3,379.73 161.85,380.53 162.59,381.26 163.57,381.59 174.64,381.51 182.28,381.78 188.36,381.97 189.69,381.95 191.08,381.78 v1(191.08,381.63) 191.31,381.63 191.83,382.15 212.2,382.36 212.99,382.5 214.44,382.87 215.49,383.16 216.73,383.36 217.95,383.37 219.17,383.52 220.3,383.45 v1(220.3,383.24) 223.53,383.31 228.76,383.07 230.52,383.01 232.54,382.36 233.86,380.36 UC3.3 ; v1(222.5,341.02) 223.86,340.81 225.63,340.36 227.26,340.17 230.49,339.55 243.48,339.45 249.64,338.99 257.07,338.74 265.56,337.19 276.63,337.21 276.67,337.17 279.98,337.28 282.22,338.66 284.32,341.23 285.47,342.78 290.49,347.06 292.05,347.94 293.49,348.89 ; v1(223.82,272.23) 225.74,272.62 226.9,272.98 229.1,272.98 230.71,272.68 231.1,272.34 231.73,271.6 UJ3.2
C1p11: length 85.7
  Bottom w0.2: UC3.10 238.35,385.12 236.44,384.32 234.12,384.21 230.61,383.99 229.54,383.93 226.78,384.47 222.46,385.17 219.15,384.74 216,384.19 212.86,383.77 204.96,383.22 192.46,383.16 186.5,383.12 185.3,383.13 178.6,384.6 174.03,384.68 171.39,384.83 170.81,384.82 166.48,384.71 164.59,384.49 158.69,384.39 157.48,384.61 156.7,384.88 156.15,385.35 UC1.11
C1p13: length 12.2
  Bottom w0.2: UC1.13 150.58,387.62 150.43,387.94 149.86,388.61 148.7,389.15 147.6,389.09 145.44,389.14 C31.2 143.58,386.47 R94.2
C2p4: length 41.2
  Top w0.15: 230.1,381.29 230.04,381.23 v1(230.04,381.32) 230.13,381.32 230.47,382.47 230.94,384.24 231.06,384.62 UC3.13
  Bottom w0.2: v1(230.04,381.32) 229.47,381.23 229.21,381.25 ; 229.27,381.25 228.58,381.32 228.03,381.19 224.59,380.87 222.48,380.52 221.97,380.42 221.61,380.35 219.32,380.03 217.02,379.8 212.82,379.83 212.4,380.15 210.82,380.21 209.58,380.29 205.8,380.58 204.81,380.55 202.29,380.56 201.3,380.53 198.45,380.12 197.5,379.63 196.74,378.8 UC2.4
C2p5: length 390.6
  Top w0.15: v1(363.07,328.79) 363.14,330.04 362.97,332.1 362.79,334.87 362.69,336.03 362.69,337.49 362.65,341.81 362.74,343.64 362.74,347.54 362.73,348.94 362.69,353.53 362.76,354.67 362.92,358.73 363.01,360.19 363.3,363.81 363.47,365.8 363.7,369.19 363.81,369.87 364.03,372 364.2,373.14 364.32,374.45 364.73,378.26 364.96,380.85 365.01,385.3 364.95,386.45 364.87,387.21 364.49,390.59 v1(364.33,391.06) ; v1(217.43,334.88) 217.43,336.52 217.21,337.59 217.04,360.51 217.13,360.6 217.25,366.28 217.25,368.95 217.59,371.81 217.87,373.02 218.04,373.86 218.21,375.97 v1(217.15,378.49)
  Bottom w0.15: v1(364.33,391.06) 365.58,392.38 367.74,393.42 369.98,393.69 371.22,393.92 372.58,394.01 375.42,394.21 376.55,394.23 386.04,394.4 ; UC8.4 424.7,374.47 425.38,373.24 426.4,372.52 428.23,372.34 428.66,372.37 429.68,372.41 430.55,372.44 432.45,372.46 432.95,372.5 435.43,373.06 435.96,373.28 436.79,373.73 437.49,374.27 438.03,375.34 438.53,376.65 438.93,379.4 439.02,381.15 439.29,388.12 439.36,390.69 439.1,391.82 438.13,393.3 436.7,394.38 435.08,394.81 433.29,394.87 ; 386.04,394.4 386.73,394.42 387.59,394.36 387.59,394.35 ; 386.04,394.4 386.16,394.4 ; 433.29,394.87 431.03,394.87 429.52,394.93 428.36,395.01 427.71,395.03 427.11,395.04 415.4,395.28 414.31,395.32 412.07,395.31 409.92,395.11 408.29,394.52 406.53,393.79 404.82,393.35 402.17,393.35 401.57,393.48 398.6,393.75 397.3,393.86 395.43,393.91 394.05,394.07 392.98,394.19 390.87,394.32 390.02,394.35 387.59,394.35 ; 433.29,394.87 433.35,394.87 ; UF6.12 348.61,327.95 348.67,327.6 348.7,327.04 ; 387.59,394.35 387.57,392.51 UB7.4 ; v1(363.07,328.79) 362.58,328.54 361.65,328 361.25,327.87 360.63,327.57 359.15,327.08 356.83,327.11 355.88,327.09 355.56,327.04 354.04,327.04 353.43,327.02 352.26,327.04 348.7,327.04 ; 348.7,327.04 348.2,327.04 347.39,327.02 345.95,327.14 344.65,327.21 342.1,327.3 340.06,328.05 338.33,328.59 337.36,328.89 334.52,329.47 333.48,329.41 332.62,329.22 331.95,329.15 331.16,329 330.42,328.81 329.41,328.63 328.85,328.44 327.76,328.23 324.83,327.54 323.29,327.34 321.72,327.11 320.23,326.92 317.68,326.91 316.86,326.98 314.98,327.01 309.32,327.15 307.96,327.22 307.05,327.22 306.3,327.18 304.61,327.24 298.05,327.14 297.14,327.12 295.36,327.04
  Bottom w0.2: 243.27,335.57 241.26,335.93 239.86,336.16 233.47,336.19 231.83,336.12 230.11,336.13 223.14,335.99 222.22,335.95 220.34,335.59 218.91,335.32 v1(217.43,334.88) ; 243.27,335.57 243.29,335.55 ; 243.27,335.57 245.05,335.09 248.08,334.06 251.83,332.54 255.14,329.92 257.42,328.29 259.39,327.63 267.4,327.64 271.38,327.02 275.12,326.57 276.54,326.48 282.06,326.35 282.28,326.33 283.32,326.37 286.71,326.54 288.14,326.96 293.39,327.12 295.36,327.04 ; v1(217.15,378.49) 215.61,378.74 ; UC2.5 199.06,378.42 199.49,378.89 199.7,379.16 200.36,379.47 203.59,379.63 205.97,379.59 211.24,379.16 212.98,378.92 215.83,378.74
C2p6: length 8.5
  Top w0.15: C15.2 206.91,374.29 206.27,374.39 203.96,374.77 202.22,375.65 201.61,376.17 201.14,376.64 UC2.6
C2p7: length 6.2
  Bottom w0.2: R13.2 200,373.77 C15.1 202.67,374.6 203.4,375.65 203.5,375.86 203.68,376.31 UC2.7
C2p10: length 134.6
  Top w0.15: UE2.12 193.4,351.62 193.78,351.99 193.32,353.42 192.76,355.23 192.01,356.91 191.99,358.58 192.37,361.07 192.35,363.07 192.39,363.63 v1(192.39,371.44) 192.44,371.53 ; v1(215.08,369.51) 215.72,370.36 216.29,371.53 216.74,372.76 216.89,373.16 217.09,374.27 217.04,375.64 216.81,376.09 216.25,376.99 215.95,377.53 215.41,378.14 215.19,378.44 214.92,378.63 214.58,379.15 214.4,379.44 214.14,379.79 213.9,379.99 213.9,383.29 214.17,383.98 214.53,384.62 215.04,385.15 215.48,385.53 216.31,385.96 v1(217.59,386.35) 217.61,387.16 217.53,388.8 217.54,390.31 R30.1
  Bottom w0.2: UB4.2 264.08,393.56 262.4,395.23 261.83,395.3 255.23,395.36 224.94,395.37 223.54,395.23 221.7,394.62 220.79,394.15 219.98,393.63 219.23,392.83 R30.1 ; v1(192.39,371.44) 193.2,371.33 193.37,371.28 193.84,371.13 194.39,370.95 197.46,370.82 198.26,370.85 199.11,370.94 203.92,370.86 205.29,370.71 206.43,370.65 207.13,370.55 211,370.11 214.46,369.85 v1(215.08,369.51) ; v1(217.59,386.35) 217.48,386.35 216.51,386.3 215.94,386.1 214.76,385.89 211.04,385.33 209.67,385.34 207.92,386.57 207.12,387.12 206.45,387.16 206.04,387.19 205.78,387.21 205.1,386.94 204.24,386.2 203.68,385.83 UC2.10
C2p12: length 129.5
  Top w0.15: v1(221.98,289.43) 221.28,290.84 221.23,309.86 221.25,323.03 221.04,333.09 220.91,337.05 220.82,338.02 220.73,341.78 221.14,343.89 220.94,345.44 220.49,346.29 ; 220.53,346.2 219.16,349.28 218.92,350.87 218.47,354.89 218.35,356.91 218.35,357.79 218.4,363.61 218.52,364.83 218.55,366.84 218.76,368.17 218.85,370.99 219.12,372.22 219.44,377.13 218.29,382.79 218.37,384.05 219.41,386.13 v1(219.91,387.23)
  Bottom w0.2: 218.91,388.12 219.91,387.51 v1(219.91,387.23) ; UC2.12 199.66,386.61 201.29,387.33 202.94,387.29 204.5,387.57 205.76,387.99 206.31,388.22 207.01,388.24 208.25,388.13 209.7,387.47 210.65,387.3 211.77,387.27 213.81,387.76 215.75,388.33 217.88,388.57 218.96,388.11 ; UH3.1 226.09,289.68 225.14,289.62 223.83,289.51 223.23,289.43 v1(221.98,289.43)
C2p13: length 12.3
  Top w0.15: UC2.13 196.06,384.68 197.42,383.33 198.21,383.01 199.05,382.94 200.12,382.81 202.08,382.85 204.42,382.92 205.1,383.15 205.82,383.92 UC2.9
C2p14: length 6.2
  Top w0.15: C29.2 196.15,388.88 194.55,387.58 194.09,387.06 193.52,386.11 UC2.14
C3p5: length 335.3
  Top w0.15: 190.12,119.11 v1(190.12,119.21) 190.12,119.57 189.77,119.91 189.55,121.19 189.19,122.82 189.1,124.01 189.05,124.38 188.81,126.58 US2.1 US2.2 ; v1(218.83,343.25) 219.17,341.45 219.6,338.54 219.94,315.43 219.88,312.89 219.91,310.72 219.64,304.74 219.53,303.53 219.16,299.72 219.02,298.73 218.83,296.37 v1(218.87,296.33) 219.38,294.94 219.72,292.96 219.67,279.69 219.3,272.94 218.91,266.73 218.86,265.84 218.4,256.44 218.07,252.69 217.44,243.43 216.95,238.17 216.49,231.6 215.92,228.33 215.04,224.5 214.81,222.57 214.91,208.33 214.95,207.31 215.01,203.9 214.87,202.18 215.05,199.58 215.31,196.27 215.51,194.46 215.5,191.72 ; UG3.2 231.35,306.38 231.6,306.13 231.55,306.09 UH3.13 ; 217.92,125.2 217.84,125.29 v1(217.84,125.4) 217.72,125.4 217.36,125.76 217.48,128.43 216.82,139.56 216.75,142.43 216.64,145.09 215.58,157.23 215.39,159.15 215.23,162.42 214.57,168.86 214.37,173.82 214.44,175.65 214.49,177.58 214.77,183.42 214.92,186.19 215.53,191.98 ; UC3.5 239.21,377.48 239.68,376.59 240.1,374.36 240.19,372.38 240.19,369.8 240.21,369.77 240,368.47 238.51,366.54 236.14,365.51 235.21,364.44 235,355.99 234.67,354.69 234.35,353.13 234.18,352.22 233.99,351.57 UE3.12
  Bottom w0.15: v1(217.84,125.4) 216.9,125.4 215.85,124.54 215.05,123.92 212.6,122.23 210.78,121.26 208.82,120.24 206.23,119.62 205.11,119.4 203.07,119.12 199.6,119.15 198.23,119.12 190.99,119.26 ; v1(218.87,296.33) 218.87,296.35 219.65,297.33 220.31,298.19 220.77,298.65 221.15,298.89 221.19,298.93 222,299.5 223.24,299.8 225.55,299.92 227.64,300 228.55,300.09 229.24,300.08 230.4,299.74 230.93,299.3 231.36,298.61 231.55,298.37 UH3.13 ; v1(218.83,343.25) 219.84,343.81 220.11,344.07 222.07,345.11 224.58,345.98 226.6,346.48 230.48,347.21 232.03,348.01 232.85,348.79 233.44,349.28 UE3.12 ; v1(190.12,119.21) 190.24,119.21 190.97,119.26
C3p9: length 13.8
  Top w0.15: UC3.2 231.9,380.2 232.21,381.01 233.39,382.32 235.66,382.94 238.92,383.56 240.29,384.24 240.94,385.17 UC3.9
C4p1: length 501.5
  Top w0.15: UC4.1 261.53,376.51 262.39,377.45 262.67,379.43 262.89,380.1 262.91,381.51 262.98,382.27 v1(262.81,387.08) 262.81,387.14 262.85,387.18 ; v1(182.91,335.42) 182.38,336.37 182.29,338.14 182.35,339.7 182.32,341 182.03,349.96 181.97,352.79 181.79,359.52 181.98,365.11 182.21,365.48 182.23,365.71 v1(182.27,366.28) ; 321.95,88.8 321.91,88.76 v1(321.91,88.85) 322,88.85 322.04,88.89 322.27,101.52 322.29,103.56 322.4,106.23 322.65,117.9 322.73,117.98 322.73,119.77 322.87,132.44 322.79,138.01 322.74,143.12 323.11,144.45 323.19,145.27 323.59,147.31 324.24,150.32 324.19,153.55 324.18,154.41 324.66,158.92 325.41,161.41 326.18,166.29 326.6,167.86 327.14,171.34 327.49,173.96 327.57,187.53 327.57,188.14 327.56,189.11 327.7,199.08 327.65,200.47 327.72,210.63 327.64,217.87 327.72,221.83 327.65,222.61 327.65,232.07 327.69,234.98 327.78,239.91 327.62,245.2 327.65,249.91 327.73,253.04 327.43,257.16 325.94,277.03 325.68,282.77 325.64,283.24 325.41,289.69 325.28,292.3 324.63,312.7 323.97,324.25 323.4,339.75 323.2,348.49 323.13,387.53 322.82,389.86 v1(322.65,391.33)
  Bottom w0.15: UB5.6 312.63,391.29 313.05,390.58 313.24,390.3 313.89,389.89 314.79,389.53 315.66,389.54 316.23,389.63 317.16,389.8 319.42,390.29 319.93,390.46 320.8,390.73 321.56,390.93 322.03,391.04 v1(322.65,391.33)
  Bottom w0.2: v1(182.91,335.42) 183.43,335.1 184.7,334.58 186.21,334.31 186.98,334.2 188.51,334.23 189.58,333.9 190.29,333.44 190.98,332.74 UF2.13 ; 305.66,389.77 305.63,389.8 305.27,389.8 ; 217.84,369.12 219.89,371.95 221.46,373.49 222.89,374.25 227.93,374.85 229.41,375 231.55,375.12 248.33,375.18 249.39,375.22 250.82,375.3 256.17,375.68 257.35,375.86 260.51,376.32 UC4.1 ; 305.27,389.8 307.01,389.89 309.61,390.39 310.55,390.67 310.64,390.75 311.47,391.12 UB5.6 ; 305.27,389.8 303.55,389.56 302.31,389.37 299.44,389.08 298.29,388.64 296.29,388.21 294.7,387.63 293.33,387.23 291.82,387.24 285.68,387.36 264.03,387.36 263.16,387.08 v1(262.81,387.08) ; v1(182.27,366.28) 183.42,366.09 185.06,365.82 186.13,365.67 188.65,365.43 192.81,365.58 197.05,366.4 200.2,366.45 211.03,366.6 213.2,366.82 215.08,367.16 217.23,368.27 217.89,369.2
C4p3: length 19.4
  Top w0.15: UD4.2 264.47,361.47 264.89,362.57 265.22,364.98 265.35,365.72 265.47,368.15 265.39,368.23 265.39,370.58 265.35,371.21 265.39,373.21 265.98,374.3 UC4.3
  Bottom w0.15: UC4.3 UC4.4
C4p6: length 241
  Top w0.15: 286.75,288 286.31,277.31 286.24,275.66 286.43,273.37 286.76,263.36 287.36,256.67 287.62,254.45 v1(287.75,253.81) ; UL6.2 345.91,221.64 346.47,223.27 346.75,223.91 346.99,224.87 347.17,225.29 347.44,226.04 347.82,226.85 347.84,227.93 UL6.12 348.06,229.41 348.23,230.07 348.25,230.76 348.43,231.57 348.48,232.51 348.62,233.82 348.65,234.13 348.69,234.59 348.84,235.57 348.97,236.46 349.08,237.3 349.19,237.66 349.3,238.24 349.33,239.19 349.44,240.27 349.35,240.99 349.52,241.16 ; 349.52,241.16 349.57,241.21 v1(349.52,241.21) 349.52,241.16 ; 354.5,224.46 353.99,224.64 348.37,224.82 347.91,224.78 346.95,224.73 ; 354.5,224.46 354.35,224.06 354.16,223.49 353.84,222.84 353.61,222.04 353.41,221.83 353.26,221.36 UL6.5 ; 354.5,224.46 354.7,225.03 354.91,225.65 354.96,225.97 355.09,226.36 355.36,227 355.45,227.33 UL6.9 ; v1(287.7,373.62) 286.38,370.65 285.79,369.07 285.1,366.66 284.87,354.84 284.82,353.5 284.82,344.19 284.93,343.89 285.14,341.76 286.43,336.44 287.16,333.02 ; 286.74,287.81 287.59,290.07 287.97,291.65 288.38,318.95 288.53,322.61 288.37,328.05 288.16,328.9 287.92,329.49 287.96,329.49 287.5,331.48 287.17,332.92
  Bottom w0.15: v1(349.52,241.21) 349.52,241.08 348.22,239.94 347.43,239.66 345.83,239.79 344.85,239.9 344.51,240.1 343.28,240.47 342.36,240.74 342,240.79 340.76,240.89 339.76,240.86 339.12,240.76 338.16,240.53 336.4,240.35 334.78,240.47 333.36,240.79 331.31,241.66 330.2,242.14 328.26,243.15 327.11,243.72 325.48,244.76 324.48,245.35 322.71,246.28 321.12,247.05 319.45,248.04 318.69,248.7 317.87,249.42 317.25,250.31 316.73,251.15 316.12,251.84 315.92,252.21 315.25,253.02 314.64,253.67 313.64,254.37 311.87,254.97 300.76,254.97 300.72,254.93 298.64,254.93 297.37,254.9 295.36,254.66 ; 295.36,254.66 294.52,254.55 292.06,254.39 290.89,254.32 290.34,254.26 289.79,254.19 288.89,254.02 288.33,253.88 v1(287.75,253.81) ; 295.36,254.66 295.66,254.7 ; v1(287.7,373.62) 287.63,373.62 287.18,374.07 286.84,374.18 286.08,374.14 282.75,374.18 279.14,374.02 277.42,374.05 275.59,374.05 274.64,374.71 UC4.6
C4p8: length 31.2
  Bottom w0.15: UC4.8 276.93,383.69 278.11,383.96 280.25,383.86 281.88,383.8 283.51,383.81 287.12,383.49 289.3,383.21 292.21,382.68 293.94,382.28 295.25,382.05 296.3,381.93 297.35,381.89 298.4,381.84 301.33,381.84 302.08,381.94 303.09,382.18 UC5.12 304.76,384.15 304.76,384.19 305.47,384.19 UC5.11
